# Altium PCB Mahdian_UIR.PcbDoc (part 1 of 3)
Units mm, origin at the board's own origin, x right, y up, seen from the top; angles counter-clockwise.
Board outline 116.21 x 95.88 mm, 2 copper layers (Top Layer, Bottom Layer); 77 components, 53 nets, 216 pads, 0 vias.
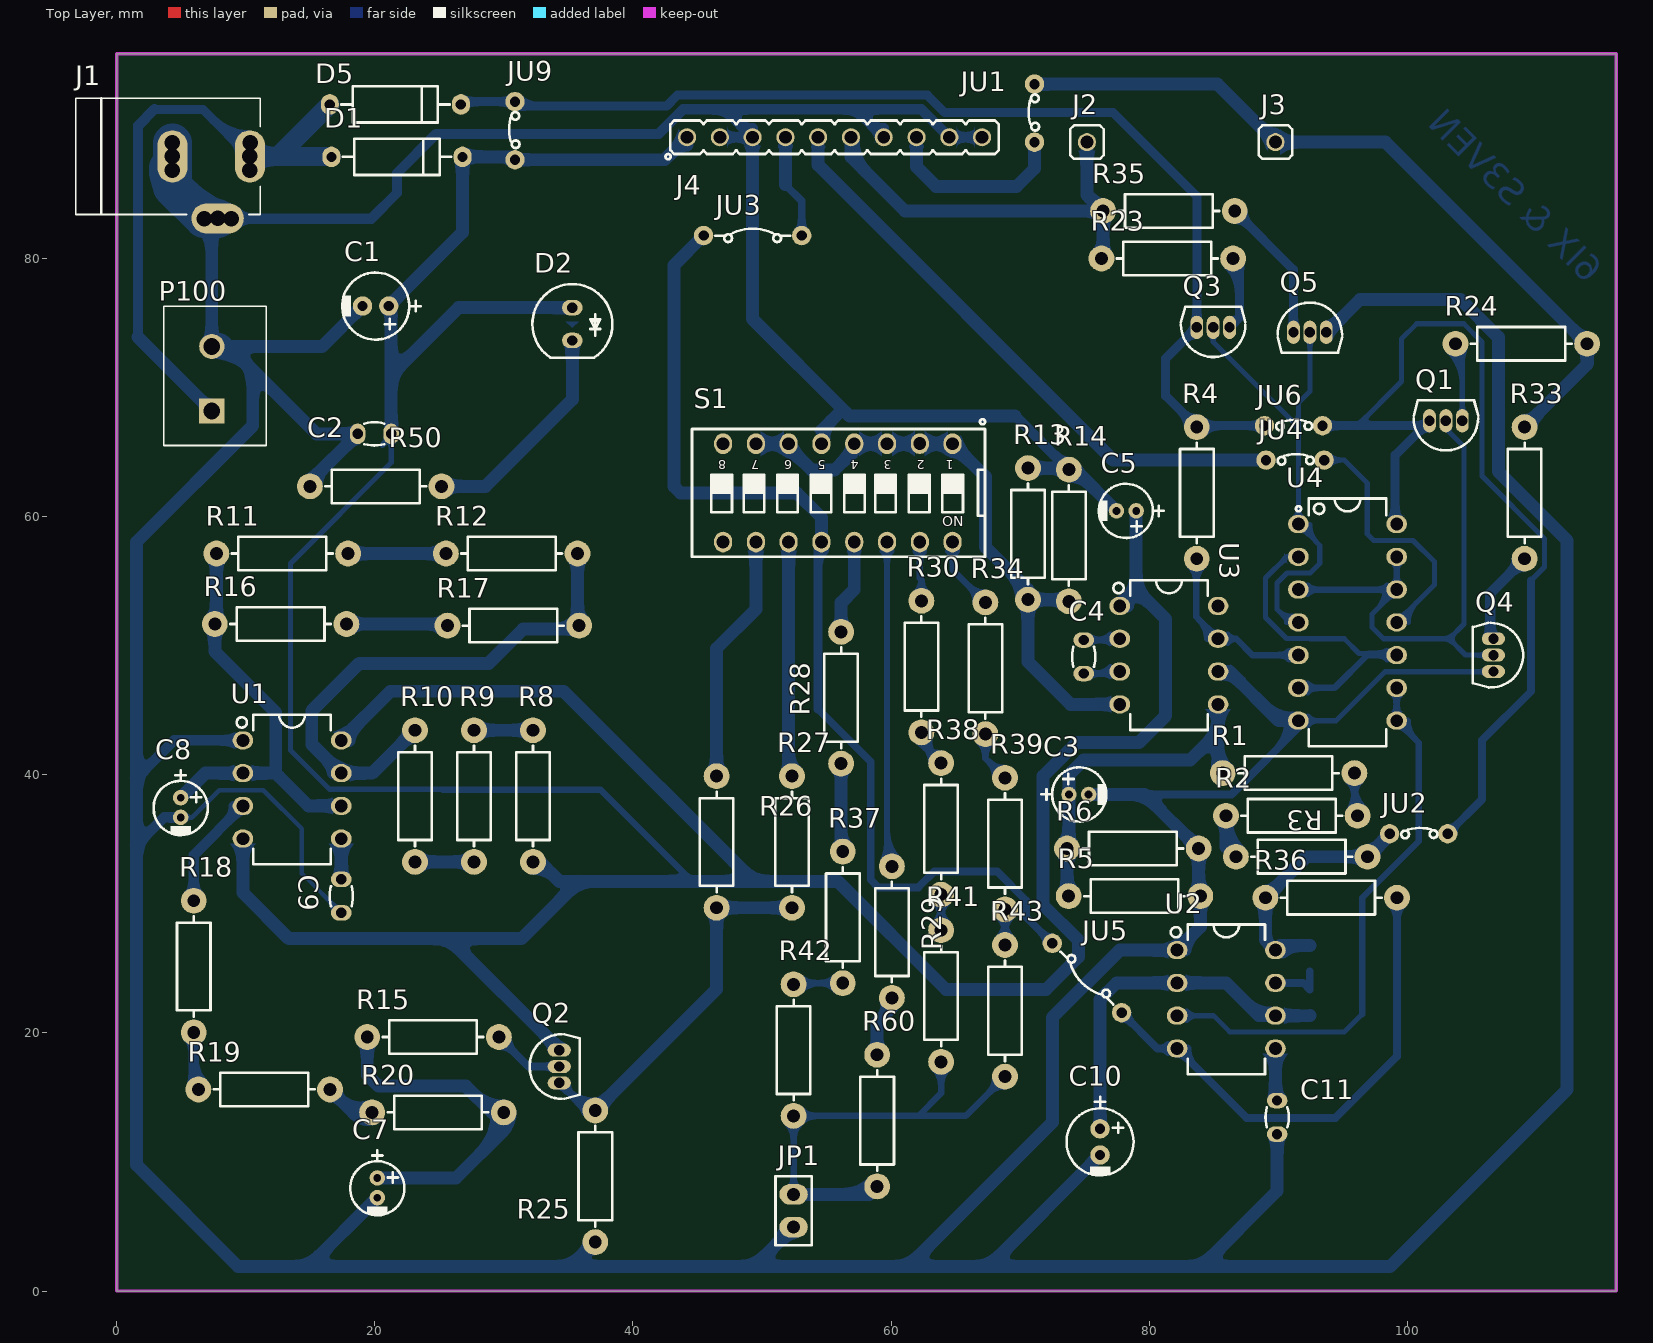
[diagram p0: Top Layer view]
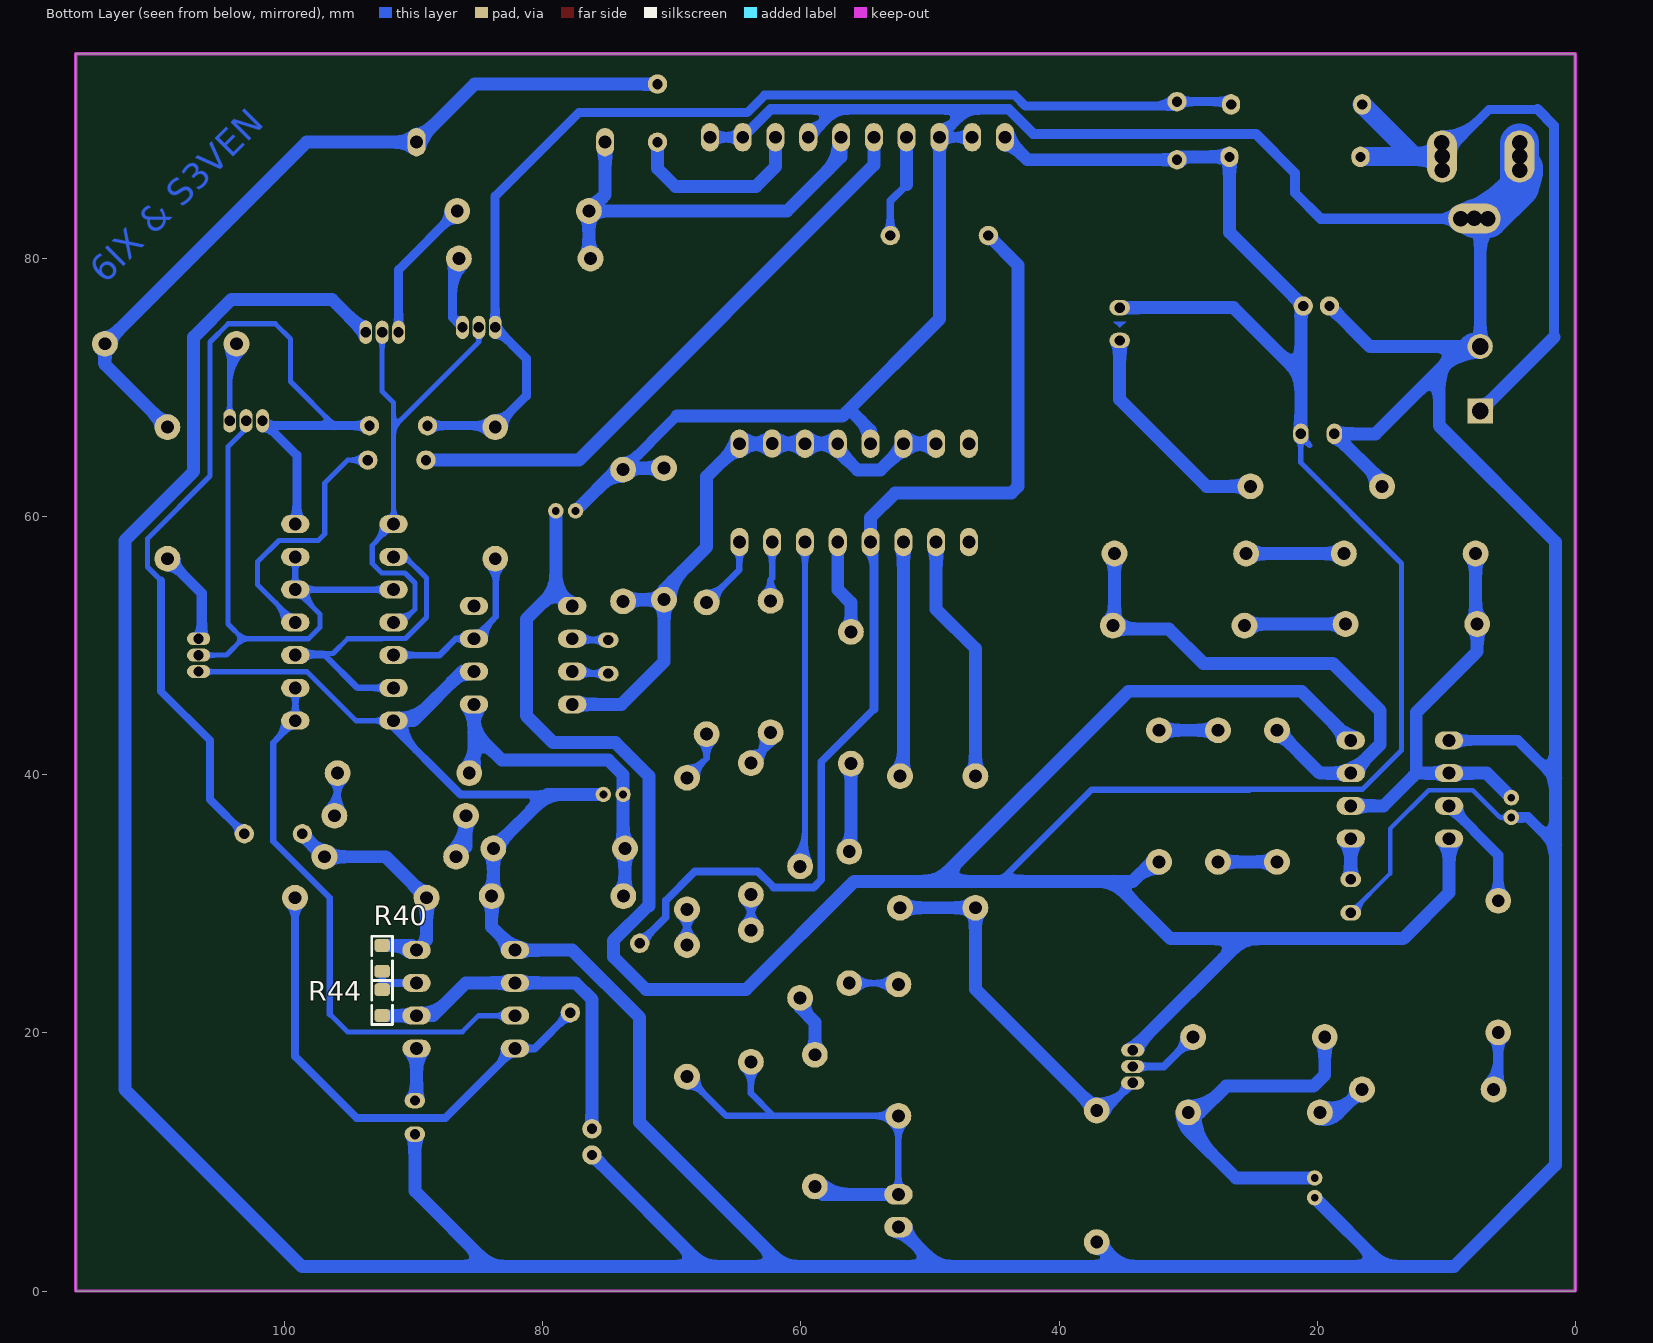
[diagram p1: Bottom Layer view, seen from below]
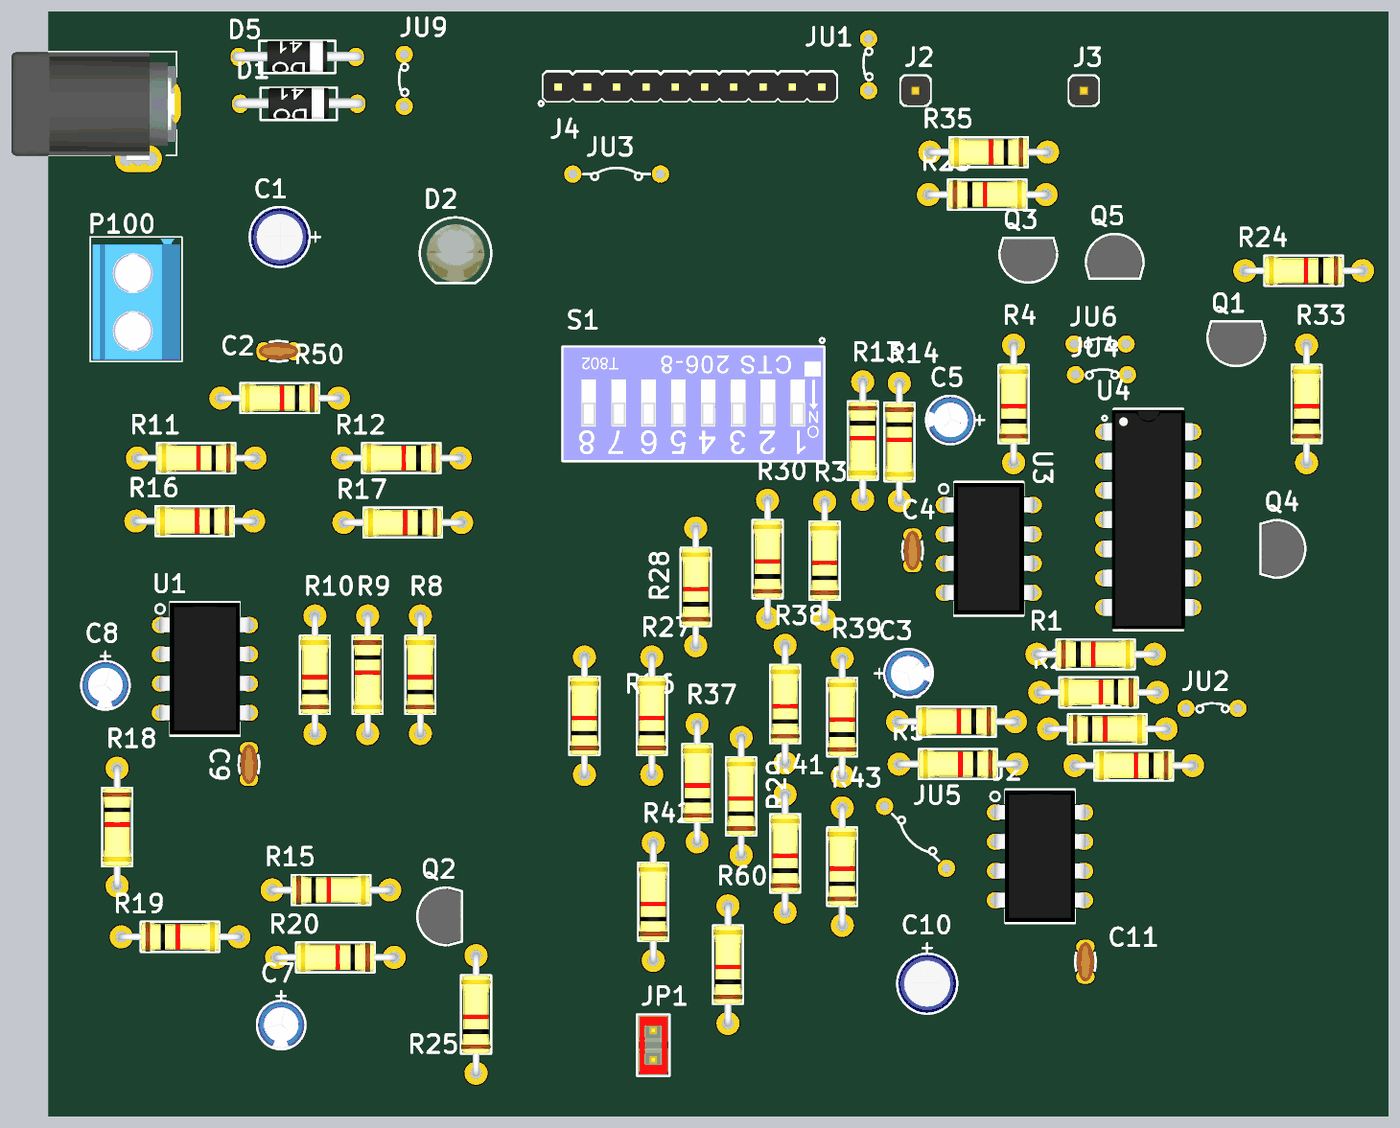
[diagram p4: 3D render of the assembled board from above, using the file's embedded part models]

## Layer stack, top to bottom
Top Layer: signal copper 0.0356
Dielectric: dielectric 0.32, FR-4, Dk 4.8
Bottom Layer: signal copper 0.0356

## Board outline
0,0 116.205,0 116.205,95.885 0,95.885

## Design rules (kind name [scope] priority, off if disabled: settings)
Clearance [All] p1: gap=0.25
HoleToHoleClearance [All] p1: gap=0.2 allowstackedmicrovias=TRUE
MinimumSolderMaskSliver [All] p1 off: minsoldermaskwidth=0.254
PolygonConnect [All] p1: connectstyle=Relief reliefconductorwidth=0.4 reliefentries=4 polygonreliefangle="90 Angle"
RoutingVias [All] p1: holewidth=0.711 width=1.27 viastyle="Through Hole" minholewidth=0.711 minwidth=1.27 maxholewidth=0.711 maxwidth=1.27
SilkToSilkClearance [All] p1 off: silktosilkclearance=0.254
SilkscreenOverComponentPads SilkToSolderMaskClearance [IsPad] p1 off: minsilkscreentomaskgap=0.254
SolderMaskExpansion [All] p1: expansion=0.102
Width Power [(InNet('+12VDC') AND InNet('VCC') AND InNet('GND'))] p1: maxlimit=5 minlimit=0.4 preferedwidth=0.5
Width [All] p2: maxlimit=4 minlimit=0.3 preferedwidth=0.38
24 further rules are at their usual default settings.

## Classes and differential pairs
component class Sheet1: C1 C2 C3 C4 C7 C8 C9 C10 C11 D1 D2 D5 J1 J2 J3 J4 JP1 P100 Q1 Q2 Q3 Q4 Q5 R1 R2 R3 R4 R5 R6 R8 R9 R10 R11 R12 R13 R14 R15 R16 R17 R18 R19 R20 R23 R24 R25 R26 R27 R28 R29 R30 R33 R34 R35 R36 R37 R38 R39 R40 R41 R42 R43 R44 R50 R60 S1 U1 U2 U3 U4

## Components (designator, comment, footprint, x,y, rotation, side; value= is the part's Value field where it differs from the comment)
C1 "100uF" C_EL_5X7 20.066,76.327 r180 top
C2 "10nF" C_CER_D3 19.969,66.421 r0 top
C3 "1uF" C_EL_4X7 74.549,38.481 r0 top
C4 "10nF" C_CER_D3 74.93,49.149 r90 top
C5 "1uF" C_EL_4X7 78.232,60.452 r180 top
C7 "10uF" C_EL_4X7 20.193,8.001 r270 top
C8 "10uF" C_EL_4X7 4.953,37.465 r270 top
C9 "10nF" C_CER_D3 17.399,30.607 r90 top
C10 "47uF" C_EL_5X7 76.2,11.557 r270 top
C11 "10nF" C_CER_D3 89.916,13.462 r90 top
D1 "1N4004" D_AX04_DO41 21.717,87.884 r0 top
D2 "LED5MM_GRN" LED5MM_GRN 35.306,74.93 r270 top
D5 "1N4004" D_AX04_DO41 21.59,91.948 r0 top
J1 "DC-005" *NINIGI_DC-005 7.818,87.918 r0 top
J2 "HDRM1" HDR_M_1 75.184,89.027 r0 top
J3 "HDRM1" HDR_M_1 89.789,89.027 r0 top
J4 "HDRF10" HDR_M_1X10 55.626,89.408 r0 top
JP1 "JMPHDR2PIN" JP_2_BLK 52.451,6.223 r90 top
JU1 "Jumper" Jumper_3mm 71.12,91.277 r90 top
JU2 "Jumper" Jumper_3mm 100.887,35.433 r0 top
JU3 "Jumper" Jumper_6mm 49.276,81.788 r0 top
JU4 "Jumper" Jumper_3mm 91.313,64.389 r0 top
JU5 "Jumper" Jumper_6mm 75.184,24.257 r135 top
JU6 "Jumper" Jumper_3mm 91.186,67.056 r0 top
JU9 "Jumper" Jumper_3mm 30.861,89.916 r90 top
P100 "TB2" TB002 7.366,68.199 r90 top
Q1 "2N3904" TO92_3 102.997,67.437 r180 top
Q2 "2N3904" TO92_3 34.29,17.399 r90 top
Q3 "2N3904" TO92_3 84.963,74.676 r180 top
Q4 "2N3906" TO92_3 106.68,49.276 r270 top
Q5 "2N3906" TO92_3 92.456,74.295 r0 top
R1 "150" R025W_AX04 90.805,40.132 r0 top
R2 "820" R025W_AX04 91.059,36.83 r180 top
R3 "3.9k" R025W_AX04 91.821,33.655 r0 top
R4 "10k" R025W_AX04 83.693,61.849 r90 top
R5 "120k" R025W_AX04 78.867,30.607 r180 top
R6 "4.7k" R025W_AX04 78.74,34.29 r180 top
R8 "8.2K" R025W_AX04 32.258,38.354 r90 top
R9 "33K" R025W_AX04 27.686,38.354 r270 top
R10 "15K" R025W_AX04 23.114,38.354 r90 top
R11 "1.5K" R025W_AX04 12.827,57.15 r180 top
R12 "680K" R025W_AX04 30.607,57.15 r180 top
R13 "82k" R025W_AX04 70.612,58.674 r270 top
R14 "560k" R025W_AX04 73.787,58.547 r270 top
R15 "100" R025W_AX04 24.511,19.685 r0 top
R16 "33k" R025W_AX04 12.7,51.689 r180 top
R17 "390k" R025W_AX04 30.734,51.562 r180 top
R18 "1.2k" R025W_AX04 5.969,25.146 r270 top
R19 "33k" R025W_AX04 11.43,15.621 r0 top
R20 "39k" R025W_AX04 24.892,13.843 r180 top
R23 "6.8" R025W_AX04 81.407,80.01 r0 top
R24 "6.8" R025W_AX04 108.839,73.406 r180 top
R25 "1.2k" R025W_AX04 37.084,8.89 r90 top
R26 "10k" R025W_AX04 46.482,34.798 r90 top
R27 "100k" R025W_AX04 52.324,34.798 r90 top
R28 "120" R025W_AX04 56.134,45.974 r90 top
R29 "120" R025W_AX04 60.071,27.813 r90 top
R30 "270" R025W_AX04 62.357,48.387 r90 top
R33 "6.8" R025W_AX04 109.093,61.849 r90 top
R34 "150" R025W_AX04 67.31,48.26 r90 top
R35 "6.8" R025W_AX04 81.534,83.693 r180 top
R36 "10k" R025W_AX04 94.107,30.48 r180 top
R37 "1k" R025W_AX04 56.261,28.956 r90 top
R38 "820" R025W_AX04 63.881,35.814 r90 top
R39 "1.8k" R025W_AX04 68.834,34.671 r90 top
R40 "15M" R0805 92.456,25.781 r90 bottom
R41 "3.9k" R025W_AX04 63.881,22.86 r90 top
R42 "2.2k" R025W_AX04 52.451,18.669 r90 top
R43 "4.7k" R025W_AX04 68.834,21.717 r90 top
R44 "3.6M" R0805 92.456,22.352 r90 bottom
R50 "1.2K" R025W_AX04 20.066,62.357 r180 top
R60 "3.9k" R025W_AX04 58.928,13.208 r90 top
S1 "DIPSW8" DIPSW254_8 55.88,61.854 r270 top
U1 "NE555" DIP_8 13.589,38.862 r0 top
U2 "NE555" DIP_8 85.979,22.606 r0 top
U3 "XR-2209" DIP_8 81.534,49.276 r0 top
U4 "CD4011" DIP_14 95.377,51.816 r0 top

## Footprints (in the part's own frame and the unit in brackets; to place one, negate y for a bottom-side part, rotate by r counter-clockwise, add the part's x,y. Pads: shape width x height; smd on the part's side, far side on the other; paste and mask are expansions set on the pad)
*NINIGI_DC-005 [mm]
  round 1.194 hole 1.2: 2(-1.05,-4.825) 2(1.05,-4.825) 3(-3.5,-1.05) 3(-3.5,1.05) 4(2.5,-1.075) 4(2.525,1.05)
  oval 4.064x2.337 hole 1.2: 2(0,-4.8)
  oval 2.337x4.064 hole 1.2: 3(-3.5,0) 4(2.5,0)
  silkscreen extent -11,-4.5 3.3,4.5, body extent -11.03,-4.95 3.27,4.45, height 11.01
C_CER_D3 [mm] "CAP, CER MULTILAYER, D:3.5mm, pitch: 2.54mm"
  oval 1.2x1.6 hole 0.8: 1(-1.3,0) 2(1.3,0)
  silkscreen extent -0.78,-0.9 0.78,0.9, body extent -1.73,-0.75 1.75,0.75, height 4
C_EL_4X7 [mm] "Cap Elec, D4.0X7.0H pitch: 1.5mm"
  round 1.2 hole 0.6: 1(-0.762,0) 2(0.762,0)
  silkscreen extent -2.9,-2.1 2.13,2.1, body extent -2,-1.99 2,2, height 1
C_EL_5X7 [mm] "Cap Elec, D5.0X7.0H pitch: 2mm"
  round 1.5 hole 0.8: 1(-1.016,0) 2(1.016,0)
  silkscreen extent -3.5,-2.6 2.6,2.6, body extent -2.53,-2.53 2.53,2.53, height 7.33
D_AX04_DO41 [mm] "DIODE 0.4 INCH SPACING DO-41"
  oval 1.4x1.6 hole 0.8: 1(-5.08,0) 2(5.08,0)
  silkscreen extent -4.2,-1.4 4.2,1.4, body extent -5.68,-1.32 5.68,1.4, height 2.86
DIP_8 [mm] "DIP, pitch 2.54mm, 300mil Width"
  oval 1.6x1.4 / inner round 1.4 / far side oval 2.2x1.4 hole 1: 1(-3.81,3.81) 2(-3.81,1.27) 3(-3.81,-1.27) 4(-3.81,-3.81) 5(3.81,-3.81) 6(3.81,-1.27) 7(3.81,1.27) 8(3.81,3.81)
  silkscreen extent -4.3,-5.8 3,5.8, body extent -3.94,-5.7 3.94,5.73, height 4.19
DIP_14 [mm] "DIP, pitch 2.54mm, 300mil Width"
  oval 1.6x1.4 / inner round 1.4 / far side oval 2.2x1.4 hole 1: 1(-3.81,7.62) 2(-3.81,5.08) 3(-3.81,2.54) 4(-3.81,0) 5(-3.81,-2.54) 6(-3.81,-5.08) 7(-3.81,-7.62) 8(3.81,-7.62) 9(3.81,-5.08) 10(3.81,-2.54) 11(3.81,0) 12(3.81,2.54) 13(3.81,5.08) 14(3.81,7.62)
  silkscreen extent -4,-9.6 3,9.6, body extent -4,-9.53 4,9.52, height 3.81
DIPSW254_8 [mm] "SWITCH DIP 8POS, THD, 2.54mm,"
  oval 1.6x1.4 / inner round 1.4 / far side oval 2.2x1.4 hole 1: 1(-3.805,8.89) 2(-3.815,6.35) 3(-3.805,3.81) 4(-3.805,1.27) 5(-3.805,-1.27) 6(-3.805,-3.81) 7(-3.805,-6.35) 8(-3.805,-8.89) 9(3.815,-8.89) 10(3.815,-6.35) 11(3.815,-3.81) 12(3.815,-1.27) 13(3.815,1.27) 14(3.815,3.81) 15(3.815,6.35) 16(3.815,8.89)
  silkscreen extent -5.7,-11.3 4.96,11.41, body extent -4.9,-11.21 4.88,11.29, height 8.25
HDR_M_1 [mm] "Connector; Header; 1 Position"
  round 1.4 / inner round 1.4 / far side oval 1.4x2.2 hole 1 mask+0.1: 1(0,0)
  silkscreen extent -1.3,-1.3 1.3,1.3, body extent -1.27,-1.27 1.27,1.27, height 8.54
HDR_M_1X10 [mm] "Connector; Header; 10 Position"
  round 1.4 / inner round 1.4 / far side oval 1.4x2.2 hole 1 mask+0.1: 1(-11.43,0) 2(-8.89,0) 3(-6.35,0) 4(-3.81,0) 5(-1.27,0) 6(1.27,0) 7(3.81,0) 8(6.35,0) 9(8.89,0) 10(11.43,0)
  silkscreen extent -13.1,-1.7 12.73,1.3, body extent -12.7,-1.3 12.7,1.19, height 8.54
JP_2_BLK [mm] "Jumper Header 2.54mm Pitch, Vertical, BLACK"
  oval 1.6x2.2 hole 1: 1(-1.27,0) 2(1.27,0)
  silkscreen extent -2.67,-1.4 2.67,1.4, body extent -2.54,-1.27 2.54,1.27, height 8.57
Jumper_3mm [mm]
  round 1.5 hole 0.8: 1(-2.25,0) 2(2.25,0)
  silkscreen extent -1.35,-0.35 1.45,0.45
Jumper_6mm [mm]
  round 1.5 hole 0.8: 1(-3.8,0) 2(3.8,0)
  silkscreen extent -2.9,-0.5 2.9,0.54
LED5MM_GRN [mm] "LED THD 5MM GREEN"
  oval 1.2x1.6 hole 0.8: 1(-1.27,0) 2(1.27,0)
  Bottom Layer region: -0.2,0.5 -0.2,-0.5 0.3,0
  silkscreen extent -3.1,-3.1 2.6,3.1, body extent -3,-3 2.5,3, height 9.14
R025W_AX04 [mm] "RESISTOR 1/4 WATT, AXIAL0.4"
  round 2 hole 1: 1(-5.1,0) 2(5.1,0)
  silkscreen extent -3.9,-1.3 3.9,1.3, body extent -5.38,-1.28 5.38,1.28, height 2.6
R0805 [mm] "CHIP RESISTOR 1/8 WATT ,2.0X1.3mm, 0805, 2012"
  rrect50% 1x1.2 smd mask+0.05: 1(-1,0) 2(1,0)
  Top Layer pour cut-out: -0.5,0.8 0.5,0.8 0.5,-0.8 -0.5,-0.8
  silkscreen extent -1.7,-0.8 1.7,0.8, body extent -1.15,-0.67 1.15,0.67, height 0.76
TB002 [mm]
  rect 1.95x1.95 hole 1.3: 1(0,0)
  round 1.95 hole 1.3: 2(5,0)
  silkscreen extent -2.68,-4.23 8.13,3.72, body extent -2.52,-4.08 7.98,3.52, height 10
TO92_3 [mm] "TO-92, SOT54"
  oval 1x1.8 hole 0.8 mask+0.1: 1(-1.27,0) 2(0,0) 3(1.27,0)
  silkscreen extent -2.5,-1.59 2.5,2.3, body extent -2.38,-1.45 2.38,2.18, height 4.82

## Part data
C1 C10: library part CAP_THD_EL, "CAP, THD, ELEC,"
C2 C4 C9 C11: library part CAP_THD_CERML, "CAP, THD, CER MULTI LAYER,"
C3 C5 C7 C8: library part CAP_THD_EL_4X7, "CAP, THD, ELEC,"
D1 D5: library part DIODE_THD_1N4004, "DIODE, GENERAL PURPOSE, 400V/1A"
D2: library part LED_THD_5MM_GRN, "LED, THD, 5MM, GREEN"
J2 J3: library part HDR_M_1, "CONN, HEADER, Male, pitch: 2.54mm, 1POS"
J4: library part HDR_F_1X10, "CONN, HEADER, Female, pitch: 2.54mm, 10POS"
JP1: library part JUMPER_HDR_2P, "JUMPER, HEADER 2PIN"
P100: library part TB002
Q1 Q2 Q3: library part NPN_2N3904_TO92, "BJT, NPN, 40v, 0.6A, THD, TO92"
Q4 Q5: library part PNP_2N3906_TO92, "BJT, PNP, 40v, 0.6A, THD, TO92"
R1 R2 R3 R4 R5 R6 R8 R9 R10 R11 R12 R13 R14 R15 R16 R17 R18 R19 R20 R23 R24 R25 R26 R27 R28 R29 R30 R33 R34 R35 R36 R37 R38 R39 R41 R42 R43 R50 R60: library part RES_THD, "RESISTOR, THD"
R40 R44: library part RES_SMD_0805, "RESISTOR, SMD"
S1: library part SWDIP_8P_THD, "SWITCH, DIP, 8P, THD"
U1 U2: library part NE555_DIP8, "555 Timer, General-Purpose Single Bipolar Timer"
U3: library part XR2209
U4: library part NANDx4_CD4011BCM, "GATE, NAND, Quad 2-Input"

## Nets (pads, with @x,y where several pads share a name; then routed paths per layer and width w, separated by ;. In a path a pad name is that pad's centre, name@x,y a point inside that pad or via, vN(x,y) a via of type N, cw(c..) or ccw(c..) an arc to the next point about the centre after c; other vN are vias at no path point)
+12VDC: D1.1 D5.1 J1.4 P100.1 | length 119.1
  Bottom Layer w0.7: 2.921,91.567 6.669,91.567 J1.4@10.318,87.918 ; P100.1@6.741,68.199 ccw(c5.232,68.199) 6.299,69.266 ccw(c7.366,70.333) P100.1@7.366,68.824 ; 7.447,90.789 ccw(c10.318,93.661) J1.4@10.318,89.6 ; 7.447,90.789 ccw(c10.318,93.661) J1.4@10.318,89.6 ; 7.447,90.789 ccw(c10.318,93.661) J1.4@10.318,89.6 ; 7.447,90.789 ccw(c10.318,93.661) J1.4@10.318,89.6 ; 8.086,90.15 ccw(c10.343,92.407) J1.4@10.343,89.215 ; 8.086,90.15 ccw(c10.343,92.407) J1.4@10.343,89.215 ; 8.086,90.15 ccw(c10.343,92.407) J1.4@10.343,89.215 ; 8.086,90.15 ccw(c10.343,92.407) J1.4@10.343,89.215 ; 8.642,89.594 ccw(c10.318,91.271) J1.4@10.318,88.9 ; 8.642,89.594 ccw(c10.318,91.271) J1.4@10.318,88.9 ; 8.642,89.594 ccw(c10.318,91.271) J1.4@10.318,88.9 ; 8.642,89.594 ccw(c10.318,91.271) J1.4@10.318,88.9 ; 8.756,89.48 ccw(c9.711,90.436) J1.4@10.245,89.195 ; 8.756,89.48 ccw(c9.711,90.436) J1.4@10.245,89.195 ; 8.756,89.48 ccw(c9.711,90.436) J1.4@10.245,89.195 ; 8.756,89.48 ccw(c9.711,90.436) J1.4@10.245,89.195 ; J1.4@9.281,88.955 ccw(c10.343,90.017) J1.4@10.343,88.515 ; J1.4@9.281,88.955 ccw(c10.343,90.017) J1.4@10.343,88.515 ; J1.4@9.281,88.955 ccw(c10.343,90.017) J1.4@10.343,88.515 ; J1.4@9.281,88.955 ccw(c10.343,90.017) J1.4@10.343,88.515 ; J1.4@9.485,88.751 ccw(c10.15,89.416) J1.4@10.522,88.552 ; J1.4@9.485,88.751 ccw(c10.15,89.416) J1.4@10.522,88.552 ; J1.4@9.485,88.751 ccw(c10.15,89.416) J1.4@10.522,88.552 ; J1.4@9.485,88.751 ccw(c10.15,89.416) J1.4@10.522,88.552
  Bottom Layer w0.8: 1.651,73.914 1.651,90.297 2.921,91.567
  Bottom Layer w1: 1.651,73.914 P100.1@7.366,68.199 ; P100.1@6.555,69.01 cw(c5.744,68.199) P100.1@6.891,68.199 ; P100.1@6.555,69.01 ccw(c7.366,69.821) P100.1@7.366,68.674 ; P100.1@6.555,69.01 cw(c5.744,68.199) P100.1@6.891,68.199 ; P100.1@6.555,69.01 ccw(c7.366,69.821) P100.1@7.366,68.674 ; P100.1@6.555,69.01 ccw(c7.366,69.821) P100.1@7.366,68.674 ; P100.1@6.555,69.01 cw(c5.744,68.199) P100.1@6.891,68.199
  Bottom Layer w1.5: J1.4@10.318,87.918 12.226,87.918 ; D5.1@16.51,91.948 12.48,87.918 16.603,87.918 D1.1@16.637,87.884 ; J1.4@10.198,86.938 cw(c12.226,85.33) 12.226,87.918 ; J1.4@10.198,86.938 cw(c12.226,85.33) 12.226,87.918 ; J1.4@10.198,86.938 cw(c12.226,85.33) 12.226,87.918 ; J1.4@10.198,86.938 cw(c12.226,85.33) 12.226,87.918 ; J1.4@10.224,88.872 ccw(c12.226,90.496) 12.226,87.918 ; J1.4@10.224,88.872 ccw(c12.226,90.496) 12.226,87.918 ; J1.4@10.224,88.872 ccw(c12.226,90.496) 12.226,87.918 ; J1.4@10.224,88.872 ccw(c12.226,90.496) 12.226,87.918
GND: C1.2 C2.1 C3.2 C5.2 C7.2 C8.2 C9.1 C10.2 C11.1 J1.2 J1.3 J4.2 J4.3 J4.7 J4.9 J4.10 JP1.1 P100.2 Q4.3 Q5.3 R5.1 R6.1 R13.1 R14.1 R25.1 R50.2 S1.5 U1.1 U2.1 U3.6 U4.7 | length 895.8
  Bottom Layer w0.35: C8.2@4.953,36.703 5.842,36.703 ; C9.1@17.399,29.307 14.351,32.355 14.351,35.814 11.348,38.817 7.956,38.817 5.842,36.703 ; C8.2@5.284,36.436 cw(c5.842,35.986) 5.842,36.703 ; C8.2@5.284,36.436 cw(c5.842,35.986) 5.842,36.703 ; C8.2@5.284,36.436 cw(c5.842,35.986) 5.842,36.703 ; C8.2@5.284,36.436 cw(c5.842,35.986) 5.842,36.703 ; C8.2@5.284,36.97 ccw(c5.842,37.42) 5.842,36.703 ; C8.2@5.284,36.97 ccw(c5.842,37.42) 5.842,36.703 ; C8.2@5.284,36.97 ccw(c5.842,37.42) 5.842,36.703 ; C8.2@5.284,36.97 ccw(c5.842,37.42) 5.842,36.703 ; 16.332,30.374 cw(c15.265,29.307) C9.1@16.774,29.307 ; 16.332,30.374 cw(c15.265,29.307) C9.1@16.774,29.307 ; 16.332,30.374 cw(c15.265,29.307) C9.1@16.774,29.307 ; 16.332,30.374 cw(c15.265,29.307) C9.1@16.774,29.307 ; 16.815,29.891 ccw(c17.199,30.275) C9.1@17.199,29.732 ; 16.815,29.891 ccw(c17.199,30.275) C9.1@17.199,29.732 ; 16.815,29.891 ccw(c17.199,30.275) C9.1@17.199,29.732 ; 16.815,29.891 ccw(c17.199,30.275) C9.1@17.199,29.732
  Bottom Layer w0.4: U4.7@91.567,44.196 94.479,44.196 98.269,47.986 106.66,47.986 Q4.3@106.68,48.006 ; U4.7@92.321,43.842 cw(c93.174,42.989) 93.174,44.196 ; U4.7@92.321,43.842 cw(c93.174,42.989) 93.174,44.196 ; U4.7@92.321,43.842 cw(c93.174,42.989) 93.174,44.196 ; U4.7@92.321,43.842 cw(c93.174,42.989) 93.174,44.196 ; U4.7@92.321,44.55 ccw(c93.174,45.403) 93.174,44.196 ; U4.7@92.321,44.55 ccw(c93.174,45.403) 93.174,44.196 ; U4.7@92.321,44.55 ccw(c93.174,45.403) 93.174,44.196 ; U4.7@92.321,44.55 ccw(c93.174,45.403) 93.174,44.196 ; 105.507,47.986 ccw(c105.507,48.779) Q4.3@106.068,48.218 ; 105.507,47.986 ccw(c105.507,48.779) Q4.3@106.068,48.218 ; 105.507,47.986 ccw(c105.507,48.779) Q4.3@106.068,48.218 ; 105.507,47.986 ccw(c105.507,48.779) Q4.3@106.068,48.218 ; 105.604,47.986 cw(c105.604,47.33) Q4.3@106.068,47.794 ; 105.604,47.986 cw(c105.604,47.33) Q4.3@106.068,47.794 ; 105.604,47.986 cw(c105.604,47.33) Q4.3@106.068,47.794 ; 105.604,47.986 cw(c105.604,47.33) Q4.3@106.068,47.794
  Bottom Layer w0.6: 79.649,38.481 86.387,38.481 U4.7@92.102,44.196 ; 89.823,41.916 ccw(c87.543,44.196) U4.7@90.767,44.196 ; 89.823,41.916 ccw(c87.543,44.196) U4.7@90.767,44.196 ; 89.823,41.916 ccw(c87.543,44.196) U4.7@90.767,44.196 ; 89.823,41.916 ccw(c87.543,44.196) U4.7@90.767,44.196 ; 90.847,42.941 ccw(c89.591,44.196) U4.7@91.367,44.196 ; 90.847,42.941 ccw(c89.591,44.196) U4.7@91.367,44.196 ; 90.847,42.941 ccw(c89.591,44.196) U4.7@91.367,44.196 ; 90.847,42.941 ccw(c89.591,44.196) U4.7@91.367,44.196 ; U4.7@91.871,43.965 ccw(c91.64,44.196) U4.7@91.967,44.196 ; U4.7@91.871,43.965 ccw(c91.64,44.196) U4.7@91.967,44.196 ; U4.7@91.871,43.965 ccw(c91.64,44.196) U4.7@91.967,44.196 ; U4.7@91.871,43.965 ccw(c91.64,44.196) U4.7@91.967,44.196
  Bottom Layer w0.8: 1.524,34.544 3.683,36.703 C8.2@4.953,36.703 ; 1.524,39.751 4.445,42.672 U1.1@9.779,42.672 ; J1.2@8.868,83.093 19.72,83.093 21.717,85.09 21.717,86.614 24.765,89.662 41.999,89.662 43.904,91.567 47.117,91.567 ; J4.2@46.736,89.408 J4.3@49.276,89.408 47.117,91.567 ; S1.5@54.61,65.659 S1.5@54.61,66.675 ; 56.007,68.072 56.515,68.072 ; J4.7@59.436,89.408 57.277,91.567 ; J4.10@67.056,89.408 J4.9@64.516,89.408 62.357,91.567 57.277,91.567 ; 69.616,67.818 73.66,63.774 R14.1@73.787,63.647 ; 8.655,42.672 cw(c8.655,41.948) U1.1@9.167,42.46 ; 8.655,42.672 ccw(c8.655,43.396) U1.1@9.167,42.884 ; 8.655,42.672 cw(c8.655,41.948) U1.1@9.167,42.46 ; 8.655,42.672 ccw(c8.655,43.396) U1.1@9.167,42.884 ; 8.655,42.672 cw(c8.655,41.948) U1.1@9.167,42.46 ; 8.655,42.672 ccw(c8.655,43.396) U1.1@9.167,42.884 ; 8.655,42.672 ccw(c8.655,43.396) U1.1@9.167,42.884 ; 8.655,42.672 cw(c8.655,41.948) U1.1@9.167,42.46 ; J1.2@9.225,82.575 cw(c10.476,81.323) 10.476,83.093 ; J1.2@9.225,82.575 cw(c10.476,81.323) 10.476,83.093 ; J1.2@9.225,82.575 cw(c10.476,81.323) 10.476,83.093 ; J1.2@9.225,82.575 cw(c10.476,81.323) 10.476,83.093 ; J1.2@9.225,83.661 ccw(c10.597,85.034) 10.597,83.093 ; J1.2@9.225,83.661 ccw(c10.597,85.034) 10.597,83.093 ; J1.2@9.225,83.661 ccw(c10.597,85.034) 10.597,83.093 ; J1.2@9.225,83.661 ccw(c10.597,85.034) 10.597,83.093 ; J4.2@46.948,89.196 cw(c47.46,88.684) 47.46,89.408 ; J4.2@46.948,89.196 cw(c47.46,88.684) 47.46,89.408 ; J4.2@46.948,89.196 cw(c47.46,88.684) 47.46,89.408 ; J4.2@46.948,89.196 cw(c47.46,88.684) 47.46,89.408 ; J4.2@46.948,89.62 ccw(c47.46,90.132) 47.46,89.408 ; J4.2@46.948,89.62 ccw(c47.46,90.132) 47.46,89.408 ; J4.2@46.948,89.62 ccw(c47.46,90.132) 47.46,89.408 ; J4.2@46.948,89.62 ccw(c47.46,90.132) 47.46,89.408 ; 47.117,91.567 57.277,91.567 ; 48.081,90.603 ccw(c49.276,91.798) J4.3@49.276,90.108 ; 48.081,90.603 ccw(c49.276,91.798) J4.3@49.276,90.108 ; 48.081,90.603 ccw(c49.276,91.798) J4.3@49.276,90.108 ; 48.081,90.603 ccw(c49.276,91.798) J4.3@49.276,90.108 ; 48.552,89.408 cw(c48.552,88.684) J4.3@49.064,89.196 ; 48.552,89.408 ccw(c48.552,90.132) J4.3@49.064,89.62 ; 48.552,89.408 cw(c48.552,88.684) J4.3@49.064,89.196 ; 48.552,89.408 ccw(c48.552,90.132) J4.3@49.064,89.62 ; 48.552,89.408 cw(c48.552,88.684) J4.3@49.064,89.196 ; 48.552,89.408 ccw(c48.552,90.132) J4.3@49.064,89.62 ; 48.552,89.408 ccw(c48.552,90.132) J4.3@49.064,89.62 ; 48.552,89.408 cw(c48.552,88.684) J4.3@49.064,89.196 ; 58.241,90.603 ccw(c59.436,91.798) J4.7@59.436,90.108 ; 58.241,90.603 ccw(c59.436,91.798) J4.7@59.436,90.108 ; 58.241,90.603 ccw(c59.436,91.798) J4.7@59.436,90.108 ; 58.241,90.603 ccw(c59.436,91.798) J4.7@59.436,90.108 ; J4.9@64.728,89.196 cw(c65.24,88.684) 65.24,89.408 ; J4.9@64.728,89.196 cw(c65.24,88.684) 65.24,89.408 ; J4.9@64.728,89.196 cw(c65.24,88.684) 65.24,89.408 ; J4.9@64.728,89.196 cw(c65.24,88.684) 65.24,89.408 ; J4.9@64.728,89.62 ccw(c65.24,90.132) 65.24,89.408 ; J4.9@64.728,89.62 ccw(c65.24,90.132) 65.24,89.408 ; J4.9@64.728,89.62 ccw(c65.24,90.132) 65.24,89.408 ; J4.9@64.728,89.62 ccw(c65.24,90.132) 65.24,89.408 ; 66.332,89.408 cw(c66.332,88.684) J4.10@66.844,89.196 ; 66.332,89.408 ccw(c66.332,90.132) J4.10@66.844,89.62 ; 66.332,89.408 cw(c66.332,88.684) J4.10@66.844,89.196 ; 66.332,89.408 ccw(c66.332,90.132) J4.10@66.844,89.62 ; 66.332,89.408 cw(c66.332,88.684) J4.10@66.844,89.196 ; 66.332,89.408 ccw(c66.332,90.132) J4.10@66.844,89.62 ; 66.332,89.408 ccw(c66.332,90.132) J4.10@66.844,89.62 ; 66.332,89.408 cw(c66.332,88.684) J4.10@66.844,89.196 ; 72.763,64.671 cw(c71.738,63.647) R14.1@73.187,63.647 ; 72.763,64.671 ccw(c73.787,65.696) R14.1@73.787,64.247 ; 72.763,64.671 cw(c71.738,63.647) R14.1@73.187,63.647 ; 72.763,64.671 ccw(c73.787,65.696) R14.1@73.787,64.247 ; 72.763,64.671 cw(c71.738,63.647) R14.1@73.187,63.647 ; 72.763,64.671 ccw(c73.787,65.696) R14.1@73.787,64.247 ; 72.763,64.671 ccw(c73.787,65.696) R14.1@73.787,64.247 ; 72.763,64.671 cw(c71.738,63.647) R14.1@73.187,63.647
  Bottom Layer w1: J1.2@7.818,83.118 7.366,82.666 P100.2@7.366,73.199 8.716,73.199 ; R50.2@14.966,62.357 14.966,62.718 C2.1@18.669,66.421 15.494,66.421 10.541,71.374 ; C1.2@19.05,76.327 15.922,73.199 8.716,73.199 ; C7.2@20.193,7.239 14.859,1.905 ; R25.1@37.084,3.79 37.064,3.79 35.179,1.905 ; J4.3@49.276,89.408 49.276,75.311 56.515,68.072 56.769,67.818 69.616,67.818 ; JP1.1@52.451,4.953 49.403,1.905 ; S1.5@54.61,66.675 56.007,68.072 ; R13.1@70.612,63.774 R14.1@73.66,63.774 ; R14.1@73.787,63.647 74.275,63.647 C5.2@77.47,60.452 ; C3.2@75.311,38.481 79.649,38.481 R6.1@83.84,34.29 83.84,30.734 R5.1@83.967,30.607 83.967,28.214 U2.1@82.169,26.416 77.724,26.416 72.517,21.209 72.517,13.081 61.341,1.905 ; C10.2@76.2,10.541 67.564,1.905 ; U3.6@85.344,48.006 86.233,48.006 90.043,44.196 U4.7@92.102,44.196 ; C11.1@89.916,12.162 89.916,7.747 84.074,1.905 ; Q5.3@93.806,74.295 96.346,76.835 104.14,76.835 107.061,73.914 107.061,63.5 112.395,58.166 112.395,15.621 98.679,1.905 84.074,1.905 ; J1.2@6.482,82.645 cw(c4.347,80.511) 7.366,80.511 ; J1.2@6.482,82.645 cw(c4.347,80.511) 7.366,80.511 ; J1.2@6.482,82.645 cw(c4.347,80.511) 7.366,80.511 ; J1.2@6.482,82.645 cw(c4.347,80.511) 7.366,80.511 ; J1.2@6.699,83.024 cw(c5.09,81.415) 7.366,81.415 ; J1.2@6.699,83.024 cw(c5.09,81.415) 7.366,81.415 ; J1.2@6.699,83.024 cw(c5.09,81.415) 7.366,81.415 ; J1.2@6.699,83.024 cw(c5.09,81.415) 7.366,81.415 ; J1.2@6.867,82.167 cw(c8.868,80.167) J1.2@8.868,82.996 ; J1.2@6.867,82.167 cw(c8.868,80.167) J1.2@8.868,82.996 ; J1.2@6.867,82.167 cw(c8.868,80.167) J1.2@8.868,82.996 ; J1.2@6.867,82.167 cw(c8.868,80.167) J1.2@8.868,82.996 ; P100.2@7.03,73.535 ccw(c6.219,74.346) 7.366,74.346 ; P100.2@7.03,73.535 ccw(c6.219,74.346) 7.366,74.346 ; P100.2@7.03,73.535 ccw(c6.219,74.346) 7.366,74.346 ; P100.2@7.03,73.535 ccw(c6.219,74.346) 7.366,74.346 ; P100.2@7.114,73.66 cw(c7.653,72.674) 8.447,73.468 ; P100.2@7.114,73.66 cw(c7.653,72.674) 8.447,73.468 ; P100.2@7.114,73.66 cw(c7.653,72.674) 8.447,73.468 ; P100.2@7.114,73.66 cw(c7.653,72.674) 8.447,73.468 ; J1.2@7.281,82.581 cw(c8.424,81.437) J1.2@8.843,82.999 ; J1.2@7.281,82.581 cw(c8.424,81.437) J1.2@8.843,82.999 ; J1.2@7.281,82.581 cw(c8.424,81.437) J1.2@8.843,82.999 ; J1.2@7.281,82.581 cw(c8.424,81.437) J1.2@8.843,82.999 ; P100.2@7.366,72.724 cw(c7.366,68.318) 10.481,71.434 ; P100.2@7.366,72.724 cw(c7.366,68.318) 10.481,71.434 ; P100.2@7.366,72.724 cw(c7.366,68.318) 10.481,71.434 ; P100.2@7.366,72.724 cw(c7.366,68.318) 10.481,71.434 ; P100.2@7.366,73.724 cw(c7.366,71.732) 8.774,73.141 ; P100.2@7.366,73.724 cw(c7.366,71.732) 8.774,73.141 ; P100.2@7.366,73.724 cw(c7.366,71.732) 8.774,73.141 ; P100.2@7.366,73.724 cw(c7.366,71.732) 8.774,73.141 ; 7.366,74.346 ccw(c8.513,74.346) P100.2@7.702,73.535 ; 7.366,74.346 ccw(c8.513,74.346) P100.2@7.702,73.535 ; 7.366,74.346 ccw(c8.513,74.346) P100.2@7.702,73.535 ; 7.366,74.346 ccw(c8.513,74.346) P100.2@7.702,73.535 ; P100.2@7.594,72.782 cw(c8.32,71.453) 9.391,72.524 ; P100.2@7.594,72.782 cw(c8.32,71.453) 9.391,72.524 ; P100.2@7.594,72.782 cw(c8.32,71.453) 9.391,72.524 ; P100.2@7.594,72.782 cw(c8.32,71.453) 9.391,72.524 ; P100.2@7.702,72.863 cw(c8.513,72.052) 8.513,73.199 ; P100.2@7.702,72.863 cw(c8.513,72.052) 8.513,73.199 ; P100.2@7.702,72.863 cw(c8.513,72.052) 8.513,73.199 ; P100.2@7.702,72.863 cw(c8.513,72.052) 8.513,73.199 ; P100.2@7.702,72.863 cw(c8.513,72.052) 8.513,73.199 ; P100.2@7.702,72.863 cw(c8.513,72.052) 8.513,73.199 ; P100.2@7.702,72.863 cw(c8.513,72.052) 8.513,73.199 ; P100.2@7.702,72.863 cw(c8.513,72.052) 8.513,73.199 ; P100.2@7.702,72.863 cw(c8.513,72.052) 8.513,73.199 ; P100.2@7.702,72.863 cw(c8.513,72.052) 8.513,73.199 ; P100.2@7.702,72.863 cw(c8.513,72.052) 8.513,73.199 ; P100.2@7.702,72.863 cw(c8.513,72.052) 8.513,73.199 ; P100.2@7.702,73.535 ccw(c8.513,74.346) 8.513,73.199 ; P100.2@7.702,73.535 ccw(c8.513,74.346) 8.513,73.199 ; P100.2@7.702,73.535 ccw(c8.513,74.346) 8.513,73.199 ; P100.2@7.702,73.535 ccw(c8.513,74.346) 8.513,73.199 ; P100.2@7.702,73.535 ccw(c8.513,74.346) 8.513,73.199 ; P100.2@7.702,73.535 ccw(c8.513,74.346) 8.513,73.199 ; P100.2@7.702,73.535 ccw(c8.513,74.346) 8.513,73.199 ; P100.2@7.702,73.535 ccw(c8.513,74.346) 8.513,73.199 ; P100.2@7.702,73.535 ccw(c8.513,74.346) 8.513,73.199 ; P100.2@7.702,73.535 ccw(c8.513,74.346) 8.513,73.199 ; P100.2@7.702,73.535 ccw(c8.513,74.346) 8.513,73.199 ; P100.2@7.702,73.535 ccw(c8.513,74.346) 8.513,73.199 ; 8.716,73.199 10.541,71.374 ; 10.541,71.374 10.541,67.056 1.524,58.039 1.524,39.751 1.524,34.544 1.524,9.779 9.398,1.905 14.859,1.905 ; 14.859,1.905 24.511,1.905 35.179,1.905 ; R50.2@15.466,62.357 cw(c17.545,62.357) 16.075,63.827 ; R50.2@15.466,62.357 cw(c17.545,62.357) 16.075,63.827 ; R50.2@15.466,62.357 cw(c17.545,62.357) 16.075,63.827 ; R50.2@15.466,62.357 cw(c17.545,62.357) 16.075,63.827 ; 35.179,1.905 49.403,1.905 ; 36.196,2.922 cw(c37.084,2.035) R25.1@37.084,3.29 ; 36.196,2.922 cw(c37.084,2.035) R25.1@37.084,3.29 ; 36.196,2.922 cw(c37.084,2.035) R25.1@37.084,3.29 ; 36.196,2.922 cw(c37.084,2.035) R25.1@37.084,3.29 ; 36.245,2.971 ccw(c35.425,3.79) R25.1@36.584,3.79 ; 36.245,2.971 ccw(c35.425,3.79) R25.1@36.584,3.79 ; 36.245,2.971 ccw(c35.425,3.79) R25.1@36.584,3.79 ; 36.245,2.971 ccw(c35.425,3.79) R25.1@36.584,3.79 ; 49.403,1.905 61.341,1.905 ; 51.427,3.929 ccw(c50.402,4.953) JP1.1@51.851,4.953 ; 51.427,3.929 ccw(c50.402,4.953) JP1.1@51.851,4.953 ; 51.427,3.929 ccw(c50.402,4.953) JP1.1@51.851,4.953 ; 51.427,3.929 ccw(c50.402,4.953) JP1.1@51.851,4.953 ; S1.5@54.81,66.059 cw(c56.78,66.059) 55.387,67.452 ; S1.5@54.81,66.059 cw(c56.78,66.059) 55.387,67.452 ; S1.5@54.81,66.059 cw(c56.78,66.059) 55.387,67.452 ; S1.5@54.81,66.059 cw(c56.78,66.059) 55.387,67.452 ; 61.341,1.905 67.564,1.905 ; 67.564,1.905 84.074,1.905 ; R13.1@70.966,63.42 cw(c71.819,62.567) 71.819,63.774 ; R13.1@70.966,63.42 cw(c71.819,62.567) 71.819,63.774 ; R13.1@70.966,63.42 cw(c71.819,62.567) 71.819,63.774 ; R13.1@70.966,63.42 cw(c71.819,62.567) 71.819,63.774 ; R13.1@70.966,64.128 ccw(c71.819,64.981) 71.819,63.774 ; R13.1@70.966,64.128 ccw(c71.819,64.981) 71.819,63.774 ; R13.1@70.966,64.128 ccw(c71.819,64.981) 71.819,63.774 ; R13.1@70.966,64.128 ccw(c71.819,64.981) 71.819,63.774 ; 72.273,63.774 cw(c72.273,62.133) R14.1@73.433,63.293 ; 72.273,63.774 cw(c72.273,62.133) R14.1@73.433,63.293 ; 72.273,63.774 cw(c72.273,62.133) R14.1@73.433,63.293 ; 72.273,63.774 cw(c72.273,62.133) R14.1@73.433,63.293 ; R14.1@73.787,63.147 cw(c73.787,60.762) 75.474,62.448 ; R14.1@73.787,63.147 cw(c73.787,60.762) 75.474,62.448 ; R14.1@73.787,63.147 cw(c73.787,60.762) 75.474,62.448 ; R14.1@73.787,63.147 cw(c73.787,60.762) 75.474,62.448 ; U2.1@82.769,26.416 cw(c84.218,26.416) 83.193,27.44 ; U2.1@82.769,26.416 cw(c84.218,26.416) 83.193,27.44 ; U2.1@82.769,26.416 cw(c84.218,26.416) 83.193,27.44 ; U2.1@82.769,26.416 cw(c84.218,26.416) 83.193,27.44 ; 82.986,35.144 cw(c82.133,34.29) R6.1@83.34,34.29 ; 82.986,35.144 ccw(c83.84,35.997) R6.1@83.84,34.79 ; 82.986,35.144 cw(c82.133,34.29) R6.1@83.34,34.29 ; 82.986,35.144 ccw(c83.84,35.997) R6.1@83.84,34.79 ; 82.986,35.144 cw(c82.133,34.29) R6.1@83.34,34.29 ; 82.986,35.144 ccw(c83.84,35.997) R6.1@83.84,34.79 ; 82.986,35.144 ccw(c83.84,35.997) R6.1@83.84,34.79 ; 82.986,35.144 cw(c82.133,34.29) R6.1@83.34,34.29 ; R6.1@83.486,33.936 cw(c82.633,33.083) 83.84,33.083 ; R6.1@83.486,33.936 cw(c82.633,33.083) 83.84,33.083 ; R6.1@83.486,33.936 cw(c82.633,33.083) 83.84,33.083 ; R6.1@83.486,33.936 cw(c82.633,33.083) 83.84,33.083 ; R5.1@83.613,30.253 cw(c82.76,29.4) 83.967,29.4 ; R5.1@83.613,30.253 cw(c82.76,29.4) 83.967,29.4 ; R5.1@83.613,30.253 cw(c82.76,29.4) 83.967,29.4 ; R5.1@83.613,30.253 cw(c82.76,29.4) 83.967,29.4 ; 83.84,32.121 ccw(c85.481,32.121) R5.1@84.321,30.961 ; 83.84,32.121 ccw(c85.481,32.121) R5.1@84.321,30.961 ; 83.84,32.121 ccw(c85.481,32.121) R5.1@84.321,30.961 ; 83.84,32.121 ccw(c85.481,32.121) R5.1@84.321,30.961 ; 83.84,33.083 cw(c85.047,33.083) R6.1@84.194,33.936 ; 83.84,33.083 cw(c85.047,33.083) R6.1@84.194,33.936 ; 83.84,33.083 cw(c85.047,33.083) R6.1@84.194,33.936 ; 83.84,33.083 cw(c85.047,33.083) R6.1@84.194,33.936 ; 83.967,29.4 cw(c85.174,29.4) R5.1@84.321,30.253 ; 83.967,29.4 cw(c85.174,29.4) R5.1@84.321,30.253 ; 83.967,29.4 cw(c85.174,29.4) R5.1@84.321,30.253 ; 83.967,29.4 cw(c85.174,29.4) R5.1@84.321,30.253 ; U3.6@85.744,47.806 cw(c85.744,46.143) 86.92,47.319 ; U3.6@85.744,47.806 cw(c85.744,46.143) 86.92,47.319 ; U3.6@85.744,47.806 cw(c85.744,46.143) 86.92,47.319 ; U3.6@85.744,47.806 cw(c85.744,46.143) 86.92,47.319 ; 88.907,45.332 ccw(c91.167,47.592) U4.7@91.167,44.396 ; 88.907,45.332 ccw(c91.167,47.592) U4.7@91.167,44.396 ; 88.907,45.332 ccw(c91.167,47.592) U4.7@91.167,44.396 ; 88.907,45.332 ccw(c91.167,47.592) U4.7@91.167,44.396
  Bottom Layer w3: J1.3@4.318,88.968 J1.3@4.318,87.918 J1.3@4.318,86.868 4.318,85.543 J1.2@6.768,83.093 6.793,83.118 J1.2@7.818,83.118 ; J1.3@3.986,87.054 ccw(c6.835,87.054) 4.821,85.04 ; J1.3@3.986,87.054 ccw(c6.835,87.054) 4.821,85.04 ; J1.3@3.986,87.054 ccw(c6.835,87.054) 4.821,85.04 ; J1.3@3.986,87.054 ccw(c6.835,87.054) 4.821,85.04
NetC3_1: C3.1 R1.1 R5.2 R6.2 U3.5 | length 53.7
  Bottom Layer w1: R5.2@73.767,30.607 73.64,30.734 R6.2@73.64,34.29 73.787,34.437 C3.1@73.787,38.481 73.787,40.005 74.93,41.148 83.185,41.148 85.344,43.307 ; U3.5@85.344,45.466 85.344,43.307 ; R1.1@85.705,40.132 85.344,40.493 85.344,43.307 ; R6.2@73.286,33.936 cw(c72.433,33.083) 73.64,33.083 ; R6.2@73.286,33.936 cw(c72.433,33.083) 73.64,33.083 ; R6.2@73.286,33.936 cw(c72.433,33.083) 73.64,33.083 ; R6.2@73.286,33.936 cw(c72.433,33.083) 73.64,33.083 ; R6.2@73.286,34.644 ccw(c72.078,35.852) 73.787,35.852 ; R6.2@73.286,34.644 ccw(c72.078,35.852) 73.787,35.852 ; R6.2@73.286,34.644 ccw(c72.078,35.852) 73.787,35.852 ; R6.2@73.286,34.644 ccw(c72.078,35.852) 73.787,35.852 ; 73.64,32.121 ccw(c75.281,32.121) R5.2@74.121,30.961 ; 73.64,32.121 ccw(c75.281,32.121) R5.2@74.121,30.961 ; 73.64,32.121 ccw(c75.281,32.121) R5.2@74.121,30.961 ; 73.64,32.121 ccw(c75.281,32.121) R5.2@74.121,30.961 ; 73.64,33.083 cw(c74.847,33.083) R6.2@73.994,33.936 ; 73.64,33.083 cw(c74.847,33.083) R6.2@73.994,33.936 ; 73.64,33.083 cw(c74.847,33.083) R6.2@73.994,33.936 ; 73.64,33.083 cw(c74.847,33.083) R6.2@73.994,33.936 ; 85.344,42.211 ccw(c87.784,42.211) R1.1@86.059,40.486 ; 85.344,42.211 ccw(c87.784,42.211) R1.1@86.059,40.486 ; 85.344,42.211 ccw(c87.784,42.211) R1.1@86.059,40.486 ; 85.344,42.211 ccw(c87.784,42.211) R1.1@86.059,40.486
NetC4_1: C4.1 U3.3 | length 15
  Bottom Layer w0.5: C4.1@74.93,47.849 77.567,47.849 U3.3@77.724,48.006 ; C4.1@75.377,47.602 cw(c75.975,47.004) 75.975,47.849 ; C4.1@75.377,47.602 cw(c75.975,47.004) 75.975,47.849 ; C4.1@75.377,47.602 cw(c75.975,47.004) 75.975,47.849 ; C4.1@75.377,47.602 cw(c75.975,47.004) 75.975,47.849 ; C4.1@75.377,48.096 ccw(c75.975,48.694) 75.975,47.849 ; C4.1@75.377,48.096 ccw(c75.975,48.694) 75.975,47.849 ; C4.1@75.377,48.096 ccw(c75.975,48.694) 75.975,47.849 ; C4.1@75.377,48.096 ccw(c75.975,48.694) 75.975,47.849 ; 75.859,47.849 ccw(c75.859,49.471) U3.3@77.006,48.324 ; 75.859,47.849 ccw(c75.859,49.471) U3.3@77.006,48.324 ; 75.859,47.849 ccw(c75.859,49.471) U3.3@77.006,48.324 ; 75.859,47.849 ccw(c75.859,49.471) U3.3@77.006,48.324 ; 76.617,47.849 cw(c76.617,47.299) U3.3@77.006,47.688 ; 76.617,47.849 cw(c76.617,47.299) U3.3@77.006,47.688 ; 76.617,47.849 cw(c76.617,47.299) U3.3@77.006,47.688 ; 76.617,47.849 cw(c76.617,47.299) U3.3@77.006,47.688
NetC4_2: C4.2 U3.2 | length 15
  Bottom Layer w0.5: C4.2@74.93,50.449 77.627,50.449 U3.2@77.724,50.546 ; C4.2@75.377,50.202 cw(c75.975,49.604) 75.975,50.449 ; C4.2@75.377,50.202 cw(c75.975,49.604) 75.975,50.449 ; C4.2@75.377,50.202 cw(c75.975,49.604) 75.975,50.449 ; C4.2@75.377,50.202 cw(c75.975,49.604) 75.975,50.449 ; C4.2@75.377,50.696 ccw(c75.975,51.294) 75.975,50.449 ; C4.2@75.377,50.696 ccw(c75.975,51.294) 75.975,50.449 ; C4.2@75.377,50.696 ccw(c75.975,51.294) 75.975,50.449 ; C4.2@75.377,50.696 ccw(c75.975,51.294) 75.975,50.449 ; 76.003,50.449 ccw(c76.003,51.867) U3.2@77.006,50.864 ; 76.003,50.449 ccw(c76.003,51.867) U3.2@77.006,50.864 ; 76.003,50.449 ccw(c76.003,51.867) U3.2@77.006,50.864 ; 76.003,50.449 ccw(c76.003,51.867) U3.2@77.006,50.864 ; 76.472,50.449 cw(c76.472,49.694) U3.2@77.006,50.228 ; 76.472,50.449 cw(c76.472,49.694) U3.2@77.006,50.228 ; 76.472,50.449 cw(c76.472,49.694) U3.2@77.006,50.228 ; 76.472,50.449 cw(c76.472,49.694) U3.2@77.006,50.228
NetC7_1: C7.1 R15.1 R20.1 | length 54.6
  Bottom Layer w1: R15.1@19.411,19.685 19.411,16.744 20.28,15.875 27.051,15.875 29.083,13.843 R20.1@29.992,13.843 29.992,12.466 26.289,8.763 C7.1@20.193,8.763 ; R15.1@19.057,19.331 cw(c18.204,18.478) 19.411,18.478 ; R15.1@19.057,19.331 cw(c18.204,18.478) 19.411,18.478 ; R15.1@19.057,19.331 cw(c18.204,18.478) 19.411,18.478 ; R15.1@19.057,19.331 cw(c18.204,18.478) 19.411,18.478 ; 19.411,18.478 cw(c20.618,18.478) R15.1@19.765,19.331 ; 19.411,18.478 cw(c20.618,18.478) R15.1@19.765,19.331 ; 19.411,18.478 cw(c20.618,18.478) R15.1@19.765,19.331 ; 19.411,18.478 cw(c20.618,18.478) R15.1@19.765,19.331 ; 29.992,12.636 cw(c31.199,12.636) 30.346,13.489 ccw(c31.199,12.636) 29.992,12.636 ; 29.992,12.636 ccw(c28.785,12.636) 29.638,13.489 cw(c28.785,12.636) 29.992,12.636 ; 27.587,15.339 ccw(c29.992,17.745) 29.992,14.343 cw(c29.992,17.745) 27.587,15.339 ; 28.165,10.639 ccw(c24.961,13.843) 29.492,13.843 cw(c24.961,13.843) 28.165,10.639 ; 29.872,12.346 ccw(c28.375,13.843) 30.492,13.843 cw(c28.375,13.843) 29.872,12.346